# KiCad board v2-choc-basil.kicad_pcb (continued)
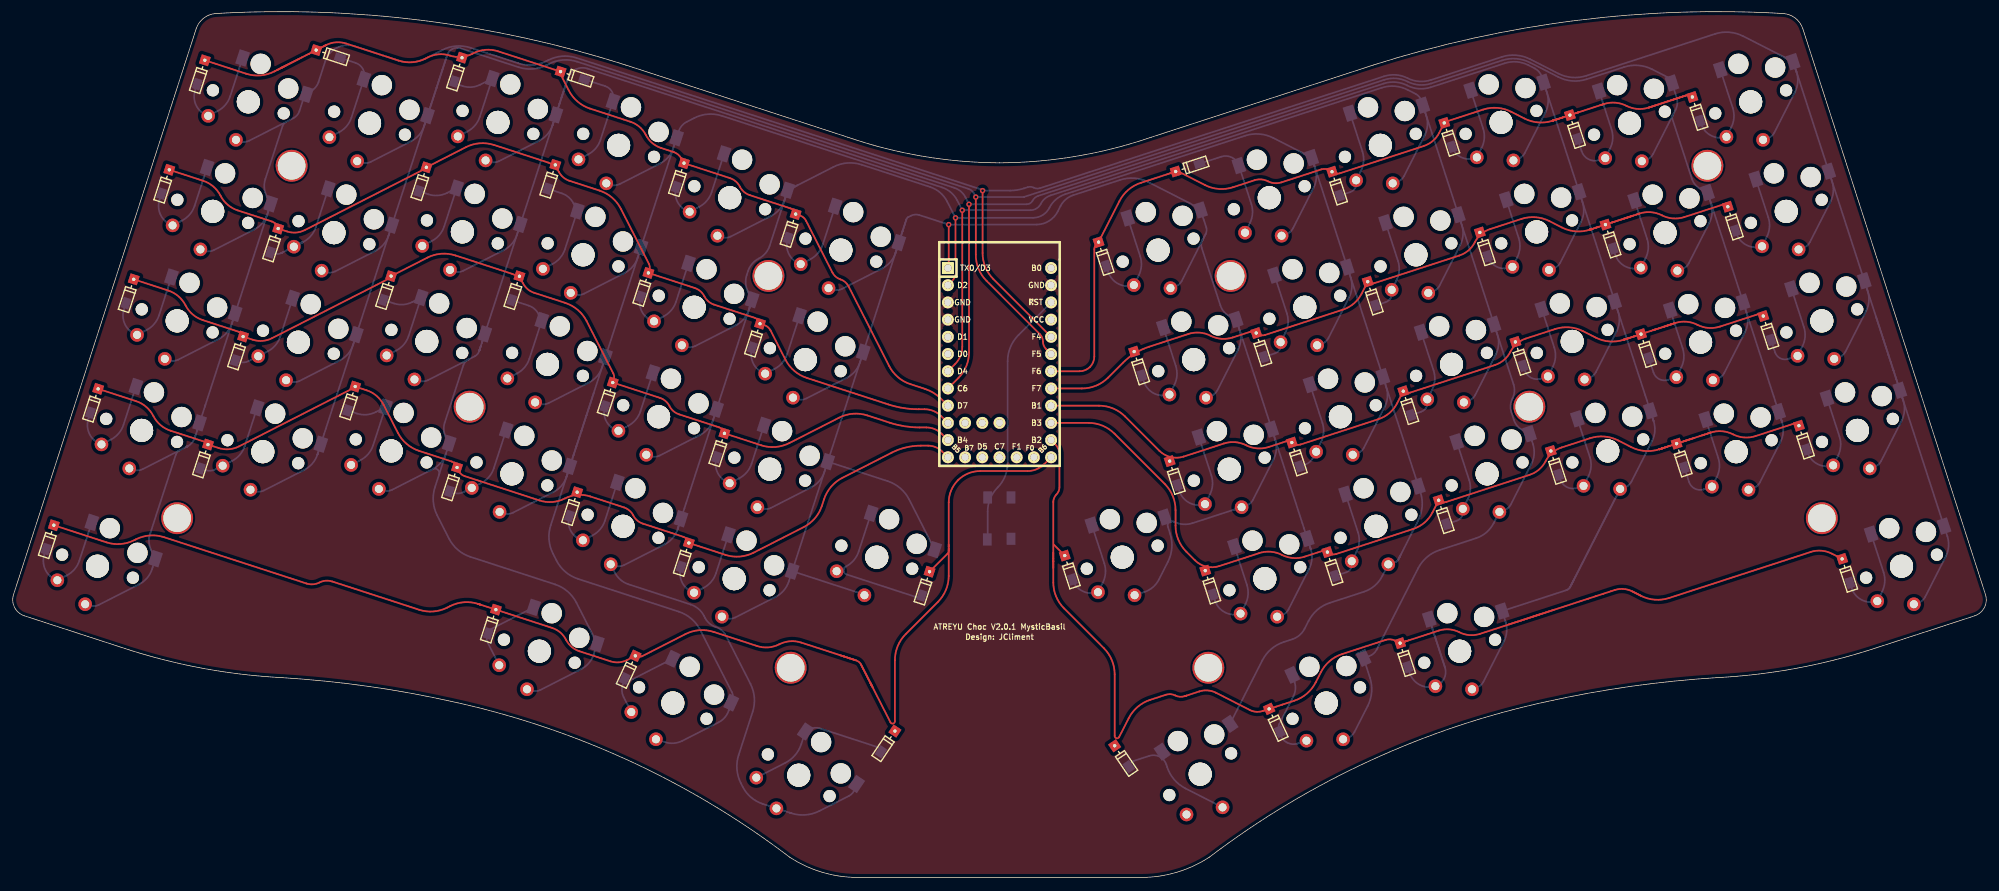
[diagram p0: board, top side]
## Routing (per net, layer and track width the routed paths; a pad name or vN(x,y) marks a point on that pad's centre or on a via; arc(x,y) is an arc through that point) (continued)
COL4: length 411.2
  Top w0.25: v1(139.24,97.38) 139.24,91.31 arc(139.25,91.26) 139.28,91.21 arc(139.31,91.17) 139.32,91.11 139.32,89.48 arc(139.17,88.7) 138.72,88.03 U1.2
  Bottom w0.25: 204.86,47.36 204.91,47.46 ; 204.86,47.36 204.91,47.46 ; 204.86,47.36 204.81,47.26 ; 204.86,47.36 204.81,47.26 ; 204.91,47.46 205.01,47.66 ; 204.91,47.46 205.01,47.66 ; MX17.1 99.5,78.35 arc(100.16,78.27) 100.8,78.45 106.78,81.5 arc(107.97,82.44) 108.71,83.76 108.8,84.02 ; MX8.1 188.08,94.95 arc(188.66,95.28) 189.07,95.8 192.12,101.79 arc(192.53,103.24) 192.35,104.75 ; 204.61,46.87 204.71,47.06 ; 204.61,46.87 204.71,47.06 ; 204.61,46.87 arc(204.48,46.7) 204.3,46.6 ; 204.61,46.87 arc(204.48,46.7) 204.3,46.6 ; 204.71,47.06 204.76,47.16 ; 204.71,47.06 204.76,47.16 ; 204.3,46.6 203.84,46.45 arc(203.26,46.12) 202.84,45.6 202.28,44.5 arc(201.15,43.07) 199.56,42.17 194.54,40.54 arc(192.69,39.51) 191.37,37.84 190.79,36.7 arc(190.05,35.76) 189,35.17 187.73,34.76 arc(185.88,33.72) 184.56,32.05 179.88,22.86 arc(179.87,22.7) 179.97,22.57 ; MX29.1 94.24,62.18 arc(94.91,62.1) 95.55,62.28 101.53,65.33 arc(102.72,66.27) 103.46,67.59 MX29.1 ; MX32.1 202.86,72.41 arc(203.04,70.91) 202.63,69.45 199.58,63.47 arc(199.17,62.94) 198.58,62.62 MX32.1 ; 204.76,47.16 204.81,47.26 ; 204.76,47.16 204.81,47.26 ; 113.97,99.93 114.1,100.34 ; 113.97,99.93 111.8,93.25 arc(111.18,92.16) 110.2,91.38 arc(109.21,90.6) 108.6,89.5 108.41,88.93 arc(108.26,87.68) 108.6,86.48 ; 113.97,99.93 arc(113.23,98.61) 112.04,97.67 106.05,94.62 arc(105.41,94.44) 104.75,94.52 MX5.1 ; 113.97,99.93 arc(114.03,100.13) 114.1,100.34 ; 113.97,99.93 arc(114.71,101.25) 115.9,102.19 ; 114.1,100.34 arc(114.74,101.36) 115.9,102.19 ; MX53.1 124.4,13.09 arc(124.05,12.47) 123.5,12.03 119.14,9.81 arc(117.1,9.24) 114.99,9.49 110.78,10.85 arc(109.05,11.82) 107.81,13.39 107.54,13.92 arc(106.97,15.96) 107.21,18.07 109.28,24.44 arc(109.53,26.55) 108.96,28.59 105.34,35.68 arc(104.7,36.5) 103.8,37 arc(102.89,37.51) 102.25,38.32 102.11,38.6 arc(101.28,39.65) 100.12,40.3 90.94,43.28 arc(89.78,43.93) 88.96,44.97 MX41.1 88.99,46.01 arc(89.65,45.94) 90.29,46.12 96.28,49.17 arc(97.47,50.1) 98.21,51.42 MX41.1 99.45,55.24 108.85,84.17 ; 205.01,47.66 207.59,52.71 arc(208.16,54.75) 207.91,56.86 192.22,105.16 ; 192.22,105.16 arc(191.58,106.18) 190.43,107.01 ; 192.22,105.16 arc(192.29,104.95) 192.35,104.75 ; 108.85,84.17 arc(108.96,85.31) 108.6,86.48 ; 108.85,84.17 arc(108.82,84.1) 108.8,84.02 ; MX20.1 197.61,88.58 arc(197.78,87.08) 197.37,85.62 194.32,79.63 arc(193.91,79.11) 193.33,78.79 MX20.1 ; 190.43,107.01 186.17,109.17 arc(184.13,109.75) 182.02,109.5 161.03,102.68 155.46,100.87 arc(154.09,100.1) 153.12,98.87 arc(152.11,97.79) 150.69,97.38 139.25,97.38 arc(139.25,97.38) 139.24,97.38 v1(139.24,97.38) 138.01,99.79 arc(136.97,101.11) 135.5,101.93 125.37,105.23 arc(123.26,105.47) 121.22,104.9 115.9,102.19 ; 190.43,107.01 arc(191.61,106.07) 192.35,104.75 ; 108.8,84.02 arc(108.95,85.27) 108.6,86.48
COL5: length 327.2
  Top w0.25: v1(138.24,96.38) 138.24,90.17 arc(138.23,90.1) 138.18,90.03 U1.1
  Bottom w0.25: 176.2,95.02 175.73,94.09 ; 176.2,95.02 175.73,94.09 ; 176.2,95.02 arc(176.33,95.49) 176.28,95.98 175.91,97.12 arc(175.12,98.53) 173.84,99.53 167.72,102.65 arc(165.67,103.23) 163.57,102.98 156.65,100.73 arc(155.54,100.11) 154.75,99.11 154.34,98.32 arc(153.04,96.91) 151.19,96.38 138.25,96.38 arc(138.25,96.38) 138.24,96.38 v1(138.24,96.38) 133.9,97.79 arc(133.27,97.86) 132.67,97.69 132.21,97.46 arc(132.09,97.37) 132.02,97.23 131.97,97.08 ; 175.73,94.09 175.7,94.03 arc(175.54,93.49) 175.61,92.93 178.37,84.44 arc(178.88,83.53) 179.71,82.88 ; 175.73,94.09 172.66,88.07 arc(172.25,87.54) 171.67,87.22 MX7.1 ; MX42.1 114.62,43.69 arc(113.88,42.37) 112.69,41.43 106.71,38.38 arc(106.07,38.2) 105.4,38.28 MX42.1 ; MX42.1 125.69,41.78 arc(125.74,41.75) 125.77,41.71 MX54.1 ; MX42.1 130.38,92.19 ; 131.8,96.55 131.97,97.08 ; 131.8,96.55 131.41,95.35 ; 131.8,96.55 131.97,97.08 ; 131.8,96.55 131.44,95.45 ; 130.38,92.19 130.51,92.6 ; 130.38,92.19 130.94,93.93 ; 130.38,92.19 arc(129.64,90.87) 128.45,89.93 122.47,86.88 arc(121.83,86.7) 121.16,86.78 MX6.1 ; 130.38,92.19 arc(130.45,92.4) 130.51,92.6 ; 130.51,92.6 131.01,94.13 ; MX19.1 176.92,71.05 arc(177.5,71.38) 177.91,71.9 180.96,77.88 arc(181.37,79.34) 181.19,80.84 181.04,81.31 ; 130.94,93.93 131.41,95.35 ; 130.94,93.93 arc(130.98,94.03) 131.01,94.13 ; MX18.1 115.91,70.61 arc(116.57,70.53) 117.21,70.72 123.2,73.76 arc(124.39,74.7) 125.13,76.02 MX18.1 ; 131.41,95.35 arc(131.42,95.4) 131.44,95.45 ; MX43.1 187.43,38.71 arc(188.01,39.04) 188.42,39.56 191.47,45.55 arc(191.88,47) 191.7,48.51 MX43.1 181.04,81.31 ; MX54.1 132.4,55.8 arc(131.09,57.47) 129.23,58.5 MX30.1 119.87,59.85 arc(119.13,58.53) 117.94,57.6 111.96,54.55 arc(111.32,54.37) 110.66,54.44 MX30.1 ; 131.01,94.13 131.44,95.45 ; MX55.1 167.14,42.14 arc(168.39,42.84) 169.27,43.96 170.62,46.6 arc(171.19,48.64) 170.94,50.75 170.61,51.78 arc(170.8,52.44) 171.48,52.53 arc(172.84,52.14) 174.25,52.31 181.39,54.63 MX31.1 182.17,54.88 arc(182.75,55.21) 183.17,55.73 186.21,61.72 arc(186.63,63.17) 186.45,64.68 MX31.1 ; 181.04,81.31 arc(180.53,82.23) 179.71,82.88 ; 181.04,81.31 arc(180.53,82.23) 179.71,82.88
ROW0: length 140.2
  Top w0.25: 39.64,119.5 39.13,119.24 ; 39.64,119.5 42.33,120.87 ; 39.64,119.5 40.4,119.89 ; 39.64,119.5 39.13,119.24 ; 39.64,119.5 D2.1 46.27,122.88 arc(47.73,123.29) 49.24,123.11 57.01,120.59 arc(59.03,120.35) 60.98,120.9 61.32,121.07 arc(62.93,121.53) 64.59,121.33 arc(66.25,121.13) 67.86,121.59 68.04,121.68 arc(69.83,122.18) 71.68,121.97 80.79,119 arc(80.87,118.94) 80.88,118.84 arc(80.86,118.72) 80.89,118.61 82.12,116.2 arc(83.44,114.53) 85.29,113.5 91.23,111.57 arc(92.56,110.82) 93.5,109.63 arc(94.45,108.43) 95.77,107.69 97.65,107.08 arc(98.28,106.72) 98.73,106.15 99.06,105.5 arc(99.08,105.47) 99.11,105.46 D5.1 99.45,105.35 105.92,103.25 arc(106.78,102.76) 107.4,101.98 arc(108.01,101.21) 108.87,100.72 114.89,98.77 arc(115.22,98.58) 115.45,98.29 arc(115.68,97.99) 116.01,97.81 116.25,97.73 arc(116.79,97.43) 117.17,96.95 121.06,89.31 arc(121.56,88.68) 122.25,88.29 arc(122.95,87.9) 123.45,87.27 129.43,75.52 arc(130.75,73.86) 132.6,72.82 134.72,72.13 arc(136,71.54) 137.1,70.67 U1.9 ; 39.64,119.5 39.89,119.63 ; 39.13,119.24 38.62,118.98 arc(36.58,118.41) 34.47,118.66 D1.1
ROW1: length 137.6
  Top w0.25: D13.1 28.13,102.84 arc(29.63,102) 30.69,100.66 arc(31.75,99.31) 33.25,98.47 38.27,96.84 arc(38.68,96.61) 38.98,96.24 arc(39.27,95.87) 39.68,95.64 40.54,95.36 arc(41.85,95.21) 43.12,95.56 60.99,104.67 arc(61.04,104.71) 61.07,104.77 arc(61.11,104.83) 61.16,104.87 66.93,107.81 arc(68.97,108.39) 71.08,108.14 79.07,105.54 arc(79.99,105.02) 80.65,104.19 arc(81.3,103.36) 82.23,102.85 86.66,101.41 arc(88.51,100.37) 89.83,98.7 93.96,90.59 arc(94.08,90.15) 94.03,89.7 arc(94.06,89.34) 94.34,89.1 100.71,87.03 arc(101.56,86.55) 102.15,85.79 arc(102.75,85.03) 103.6,84.56 109.61,82.61 arc(109.95,82.42) 110.19,82.12 arc(110.43,81.81) 110.76,81.62 111,81.55 arc(111.55,81.24) 111.93,80.75 114.13,76.44 arc(115.44,74.78) 117.29,73.74 129.32,69.83 arc(131.53,69.3) 133.81,69.12 134.69,69.12 arc(136,68.86) 137.12,68.12 U1.10
ROW2: length 139.4
  Top w0.25: U1.11 137.19,65.5 arc(136.16,66.19) 134.94,66.43 133.97,66.43 arc(131.71,66.61) 129.51,67.14 126.22,68.21 arc(124.11,68.46) 122.07,67.88 114.7,64.13 arc(112.65,63.55) 110.54,63.8 105.52,65.43 arc(105.17,65.63) 104.92,65.94 arc(104.68,66.25) 104.33,66.45 98.43,68.37 arc(97.6,68.83) 97.01,69.58 arc(96.41,70.33) 95.58,70.8 89.08,72.91 arc(88.8,73.15) 88.77,73.52 arc(88.83,73.97) 88.7,74.4 84.77,82.12 arc(83.46,83.78) 81.61,84.82 77.01,86.31 arc(76.05,86.85) 75.37,87.72 arc(74.69,88.58) 73.73,89.12 65.39,91.83 arc(63.28,92.08) 61.24,91.5 55.99,88.83 arc(55.9,88.76) 55.84,88.65 arc(55.79,88.55) 55.69,88.48 38.27,79.6 arc(36.89,79.21) 35.47,79.38 34.34,79.75 arc(34.06,79.9) 33.87,80.15 arc(33.68,80.39) 33.4,80.55 28.08,82.28 arc(26.59,83.11) 25.53,84.46 arc(24.46,85.81) 22.97,86.65 D25.1
ROW3: length 145.7
  Top w0.25: U1.12 137.26,62.89 arc(136.31,63.52) 135.19,63.75 134.13,63.75 arc(131.93,63.49) 129.84,62.72 122.53,58.99 arc(120.86,57.68) 119.83,55.83 119.52,54.88 arc(118.48,53.03) 116.81,51.71 109.42,47.95 arc(107.38,47.37) 105.27,47.62 100.27,49.25 arc(99.91,49.45) 99.66,49.77 arc(99.4,50.09) 99.05,50.29 93.07,52.23 arc(92.24,52.69) 91.66,53.43 arc(91.08,54.18) 90.25,54.64 85.3,56.25 arc(83.4,56.47) 81.55,55.95 arc(79.7,55.43) 77.8,55.65 66.76,59.24 arc(66.26,59.52) 65.9,59.98 65.43,60.9 arc(65.18,61.21) 64.84,61.41 60.04,62.97 arc(58.18,64) 56.87,65.67 54.78,69.78 arc(53.74,71.1) 52.27,71.92 50.63,72.45 arc(50.59,72.45) 50.56,72.42 arc(50.54,72.37) 50.5,72.34 33.42,63.64 arc(31.94,63.22) 30.4,63.4 29,63.86 arc(28.86,63.93) 28.77,64.06 arc(28.67,64.18) 28.53,64.25 23.33,65.95 arc(21.83,66.78) 20.77,68.13 arc(19.71,69.48) 18.21,70.32 D37.1
ROW4: length 201.7
  Top w0.25: 138.24,48.2 138.24,44.53 arc(137.83,42.45) 136.65,40.68 131.89,35.92 arc(130.71,34.16) 130.29,32.07 130.29,23.06 arc(130.03,22.72) 129.64,22.9 126.99,28.1 ; 138.24,48.2 138.24,48.9 ; 138.24,48.2 arc(138.2,47.99) 138.08,47.81 D54.1 ; 122.2,32.81 122.58,32.68 ; 122.2,32.81 122.58,32.68 ; 122.2,32.81 116.46,34.67 arc(114.81,34.87) 113.21,34.42 arc(111.61,33.97) 109.95,34.16 103.51,36.25 arc(101.4,36.5) 99.36,35.93 92.94,32.66 arc(92.62,32.57) 92.29,32.61 arc(91.96,32.65) 91.64,32.56 90.76,32.1 arc(89.54,31.76) 88.27,31.91 83.72,33.39 arc(82.55,34.05) 81.71,35.11 arc(80.88,36.16) 79.7,36.82 69.13,40.26 68.75,40.38 arc(66.64,40.63) 64.6,40.05 64.18,39.84 arc(62.14,39.27) 60.03,39.52 47.19,43.69 arc(46.22,43.8) 45.29,43.54 arc(44.36,43.28) 43.4,43.39 22.34,50.23 arc(20.23,50.48) 18.19,49.91 17.98,49.8 arc(15.94,49.23) 13.83,49.48 D49.1 ; 122.58,32.68 122.77,32.62 ; 122.58,32.68 122.77,32.62 ; 138.24,48.9 138.24,48.78 ; 138.24,48.9 138.24,49.13 ; 138.24,48.9 138.24,49.13 ; 122.77,32.62 124.39,32.1 ; 122.77,32.62 124.58,32.03 arc(125,31.8) 125.29,31.43 ; 126.73,28.61 126.79,28.49 ; 126.73,28.61 126.79,28.49 ; 126.73,28.61 126.66,28.74 ; 126.73,28.61 126.86,28.36 ; 126.79,28.49 126.86,28.36 ; 126.99,28.1 126.86,28.36 ; 126.99,28.1 126.86,28.36 ; 126.86,28.36 126.66,28.74 ; 126.66,28.74 125.29,31.43 ; 126.66,28.74 125.29,31.43 ; 138.24,49.13 138.24,55.35 arc(138.6,57.13) 139.6,58.64 arc(141.11,59.64) 142.89,60 149.89,60 arc(151.22,60.26) 152.35,61.01 U1.13
ROW5: length 180.3
  Top w0.25: U1.14 153.98,63.95 arc(154.44,63.27) 154.6,62.46 154.6,57.63 arc(154.48,57.03) 154.14,56.53 arc(153.8,56.02) 153.69,55.43 153.69,47.91 ; D60.1 268.68,47.8 arc(267.13,48.24) 265.54,48.05 244.63,41.25 arc(242.52,41.01) 240.48,41.58 ; 220.99,37.35 224.33,38.44 ; 220.99,37.35 225.45,38.8 ; 220.99,37.35 216.7,35.96 arc(215.15,35.78) 213.66,36.2 arc(212.16,36.62) 210.61,36.44 205.66,34.83 arc(204.92,34.75) 204.2,34.95 arc(203.49,35.15) 202.75,35.06 196.37,32.99 arc(194.52,31.95) 193.2,30.28 192.44,28.79 arc(191.13,27.13) 189.28,26.09 D57.1 184.6,24.57 arc(183.64,24.46) 182.72,24.72 177.72,27.26 arc(176.5,27.61) 175.25,27.46 173.08,26.76 arc(172.38,26.67) 171.7,26.87 arc(171.02,27.06) 170.32,26.97 168,26.22 arc(166.14,25.18) 164.83,23.51 163.41,20.72 arc(163.02,20.54) 162.75,20.88 162.75,29.99 arc(162.34,32.08) 161.16,33.84 155.28,39.72 arc(154.1,41.49) 153.69,43.57 153.69,46.71 ; 224.33,38.44 233.79,41.51 236.61,42.43 arc(237.93,42.59) 239.22,42.22 240.48,41.58 ; 224.33,38.44 arc(224.89,38.62) 225.45,38.8 ; 153.69,47.11 153.69,47.91 ; 153.69,47.11 153.69,47.91 ; 153.69,47.11 153.69,46.71 ; 153.69,47.11 153.69,46.71 ; D55.1 153.74,49.15 ; 225.45,38.8 227.67,39.53 ; 153.69,46.71 153.69,45.67 ; 240.48,41.58 239.23,42.21
ROW6: length 133.3
  Top w0.25: 246.88,64.41 247.71,64.68 ; 246.88,64.41 248.26,64.86 ; 246.88,64.41 246.33,64.23 ; 246.88,64.41 247.16,64.5 ; 246.88,64.41 249.51,65.26 ; 246.88,64.41 246.33,64.23 ; 246.33,64.23 244.78,63.73 ; 249.77,65.35 249.9,65.39 ; 249.77,65.35 250.78,65.68 arc(252.46,65.88) 254.08,65.42 arc(255.71,64.96) 257.39,65.16 263.65,67.19 ; 249.77,65.35 249.51,65.26 ; 249.77,65.35 249.51,65.26 ; 244.78,63.73 244.66,63.69 ; 244.78,63.73 244.66,63.69 ; 244.66,63.69 244.59,63.67 ; 244.66,63.69 243.19,63.21 arc(241.08,62.96) 239.03,63.54 237.11,64.52 arc(235.07,65.09) 232.96,64.84 228.77,63.48 arc(227.39,62.71) 226.41,61.46 arc(225.42,60.21) 224.04,59.44 211.73,55.44 arc(211.35,55.4) 210.97,55.5 arc(210.66,55.53) 210.42,55.32 209.69,53.88 arc(208.5,52.38) 206.84,51.45 195.46,47.75 arc(195.02,47.7) 194.59,47.82 D44.1 193.92,48.16 arc(193.66,48.23) 193.4,48.2 190.81,47.36 arc(189.1,47.16) 187.45,47.62 arc(185.8,48.09) 184.1,47.88 178.2,45.97 arc(176.27,45.89) 174.6,46.83 173.34,48.09 arc(172.16,49.86) 171.74,51.94 171.74,54.25 arc(171.33,56.33) 170.15,58.09 162.73,65.52 arc(160.96,66.7) 158.88,67.11 U1.15
ROW7: length 119.5
  Top w0.25: 244.95,81.66 245.04,81.69 ; 244.95,81.66 244.56,81.53 ; 244.95,81.66 243.07,81.05 ; 244.95,81.66 242.49,80.86 ; 244.95,81.66 245.04,81.69 ; 245.04,81.69 245.52,81.84 arc(247.2,82.04) 248.83,81.58 arc(250.46,81.12) 252.14,81.32 258.4,83.36 ; 244.56,81.53 244.65,81.56 ; 244.56,81.53 244.38,81.47 ; 244.56,81.53 244.38,81.47 ; 242.26,80.78 242.49,80.86 ; 242.26,80.78 242.49,80.86 ; 242.26,80.78 239.53,79.9 ; 242.49,80.86 242.84,80.97 ; 242.49,80.86 242.6,80.9 ; 239.4,79.86 239.34,79.84 ; 239.4,79.86 237.93,79.38 arc(235.82,79.13) 233.78,79.7 231.95,80.64 arc(229.91,81.21) 227.8,80.96 223.49,79.56 arc(222.15,78.81) 221.2,77.6 arc(220.25,76.4) 218.91,75.65 206.36,71.57 arc(206.02,71.53) 205.7,71.62 arc(205.42,71.64) 205.21,71.46 204.48,70.02 arc(203.33,68.56) 201.71,67.65 190.21,63.92 arc(189.76,63.87) 189.34,63.99 188.64,64.34 arc(188.36,64.42) 188.07,64.39 185.48,63.54 arc(183.8,63.34) 182.17,63.8 arc(180.55,64.26) 178.87,64.06 172.94,62.13 arc(171.02,62.06) 169.34,63 164.29,68.06 arc(162.52,69.24) 160.44,69.65 U1.16 ; 239.4,79.86 239.53,79.9 ; 239.4,79.86 239.53,79.9 ; 244.38,81.47 243.77,81.28
ROW8: length 114.7
  Top w0.25: 236.29,96.72 236.21,96.69 ; 236.29,96.72 236.46,96.77 ; 236.29,96.72 236.46,96.77 ; 236.29,96.72 236.21,96.69 ; 236.21,96.69 234.24,96.05 ; 238.78,97.53 239.19,97.66 ; 238.78,97.53 239.19,97.66 ; 238.78,97.53 238.39,97.4 ; 238.78,97.53 236.46,96.77 ; 238.78,97.53 237.8,97.21 ; 239.19,97.66 239.39,97.73 ; 233.89,95.94 232.95,95.63 arc(232.95,95.63) 232.95,95.63 232.95,95.63 arc(230.84,95.38) 228.79,95.96 226.97,96.89 arc(224.92,97.47) 222.81,97.22 218.24,95.73 arc(216.9,94.98) 215.95,93.77 arc(215,92.57) 213.65,91.82 201.1,87.74 arc(200.77,87.7) 200.44,87.79 arc(200.17,87.81) 199.96,87.63 199.23,86.19 arc(198.08,84.73) 196.45,83.82 184.95,80.09 arc(184.51,80.03) 184.08,80.15 183.38,80.51 arc(183.09,80.6) 182.79,80.56 180.19,79.72 arc(178.52,79.52) 176.91,79.98 arc(175.3,80.43) 173.63,80.23 167.82,78.35 arc(165.77,77.4) 163.99,76 161.78,73.78 arc(160.01,72.6) 157.93,72.19 U1.17 ; 233.89,95.94 233.72,95.88 ; 233.89,95.94 234.24,96.05 ; 233.89,95.94 234.24,96.05 ; 236.46,96.77 240.27,98.01 arc(241.95,98.21) 243.58,97.75 arc(245.21,97.29) 246.89,97.49 253.14,99.52
ROW9: length 131
  Top w0.25: 245.32,114.86 245.53,114.93 ; 245.32,114.86 244.9,114.72 ; 245.32,114.86 244.9,114.72 ; 245.32,114.86 245.53,114.93 ; 245.53,114.93 245.74,114.99 ; 245.53,114.93 245.74,114.99 ; 230.83,112.82 229.02,112.23 ; 230.83,112.82 231.21,112.94 ; 230.83,112.82 231.21,112.94 ; 228.9,112.19 229.02,112.23 ; 228.9,112.19 228.83,112.17 ; 228.9,112.19 229.02,112.23 ; 228.9,112.19 227.43,111.71 arc(225.32,111.46) 223.27,112.04 221.32,113.04 arc(219.28,113.61) 217.17,113.36 211.31,111.46 ; U1.18 157.57,74.73 arc(158.4,74.9) 159.11,75.36 arc(159.58,76.07) 159.74,76.9 159.74,92.73 arc(159.82,93.14) 160.06,93.49 arc(160.34,93.82) 160.57,94.2 163.45,99.84 arc(164.77,101.51) 166.62,102.55 D8.1 171.88,104.26 arc(172,104.27) 172.12,104.24 176.08,102.22 arc(178.12,101.65) 180.23,101.9 183.41,102.93 arc(184.41,103.05) 185.39,102.77 arc(186.37,102.5) 187.38,102.62 193.28,104.53 arc(193.82,104.6) 194.34,104.45 195.21,104 arc(195.59,103.9) 195.97,103.94 208.4,107.98 arc(209.74,108.73) 210.69,109.94 D10.1 ; 244.9,114.72 244.47,114.58 ; 231.21,112.94 235.02,114.18 arc(236.7,114.38) 238.32,113.92 arc(239.95,113.46) 241.63,113.66 ; 231.21,112.94 231.4,113.01 ; 247.01,115.41 247.92,115.7 ; 247.01,115.41 246.59,115.27 ; 247.01,115.41 247.09,115.43 arc(247.43,115.47) 247.75,115.38 D12.1 ; 247.01,115.41 246.59,115.27 ; 244.47,114.58 244.05,114.45 ; 244.47,114.58 244.05,114.45 ; 244.47,114.58 244.69,114.65 ; 244.05,114.45 241.63,113.66 ; 245.74,114.99 245.95,115.06 ; 245.74,114.99 245.95,115.06 ; 245.95,115.06 246.16,115.13 ; 245.95,115.06 246.16,115.13 ; 246.59,115.27 246.16,115.13 ; 246.59,115.27 246.16,115.13 ; 241.63,113.66 242.57,113.96 ; 241.63,113.66 243.84,114.38
RST: length 38.2
  Bottom w0.25: SW1.1 143.97,49.92 arc(143.99,49.95) 143.99,49.99 143.99,54.01 arc(144.38,55.94) 145.47,57.58 arc(146.56,59.21) 146.94,61.14 146.94,76.22 arc(147.36,78.3) 148.54,80.07 U1.22
Net-(D1-Pad2): length 16.1
  Bottom w0.25: MX1.2 32.12,115.33 arc(31.4,114.05) 30.25,113.14 MX1.2 arc(27.12,113.93) 26.94,116.21 D1.2
Net-(D2-Pad2): length 15.9
  Bottom w0.25: MX2.2 48.16,109.99 arc(49.31,110.9) 50.02,112.18 MX2.2 arc(51.74,119.3) 50.62,120.26 D2.2
Net-(D3-Pad2): length 16.5
  Bottom w0.25: 65.13,117.26 66.46,116.83 arc(67.77,116.68) 69.03,117.03 MX3.2 68.99,112.29 arc(68.27,111.02) 67.12,110.11 MX3.2
Net-(D4-Pad2): length 16.5
  Bottom w0.25: MX4.2 84.95,106.72 arc(86.1,107.63) 86.81,108.91 MX4.2 arc(88.54,115.93) 87.49,116.83 D4.2
Net-(D5-Pad2): length 15.1
  Bottom w0.25: MX5.2 103.23,101.17 arc(102.51,99.89) 101.36,98.98 MX5.2 99.84,98.32 arc(98.18,99.74) D5.2
Net-(D6-Pad2): length 15.3
  Bottom w0.25: D6.2 114.46,94.32 arc(114.64,92.03) MX6.2 117.77,91.25 arc(118.92,92.16) 119.64,93.43 MX6.2
Net-(D7-Pad2): length 16.1
  Bottom w0.25: D7.2 161.81,89.38 arc(163.3,87.63) MX7.2 166.29,88.84 arc(166.69,90.25) 166.52,91.7 MX7.2
Net-(D8-Pad2): length 17.1
  Bottom w0.25: D8.2 178.51,106.41 arc(180.07,106.29) MX8.2 182.93,99.44 arc(183.11,97.98) 182.71,96.57 MX8.2
Net-(D9-Pad2): length 14.2
  Bottom w0.25: MX9.2 199.35,107.18 arc(199.52,105.72) 199.12,104.31 MX9.2 arc(198.33,101.86) 197.52,101.17 D9.2
Net-(D10-Pad2): length 14.9
  Bottom w0.25: MX10.2 217.17,110.56 arc(217.34,109.11) 216.95,107.7 MX10.2 215.88,106.19 arc(213.88,106.35) D10.2
Net-(D11-Pad2): length 16.5
  Bottom w0.25: MX11.2 236.13,110.45 arc(236.31,108.99) 235.91,107.58 235.42,106.62 arc(235.14,106.27) 234.76,106.05 234.31,105.91 arc(232.74,106.03) 231.71,107.23 D11.2
Net-(D12-Pad2): length 15.6
  Bottom w0.25: MX12.2 254.04,113.6 arc(254.21,112.14) 253.81,110.73 MX12.2 arc(250.84,109.52) 249.37,111.25 D12.2
Net-(D13-Pad2): length 16.1
  Bottom w0.25: D13.2 21.69,100.05 arc(21.87,97.76) MX13.2 25,96.97 arc(26.15,97.88) 26.87,99.16 MX13.2
Net-(D14-Pad2): length 14.2
  Bottom w0.25: MX14.2 44.77,96.01 arc(44.05,94.73) 42.9,93.83 39.67,92.18 arc(39.15,92.03) 38.61,92.1 D14.2
Net-(D15-Pad2): length 15.6
  Bottom w0.25: D15.2 61.39,100.85 arc(62.81,100.68) 64.18,101.07 64.87,101.43 arc(65.23,101.38) 65.33,101.04 63.73,96.13 arc(63.02,94.85) 61.87,93.94 MX15.2
Net-(D16-Pad2): length 16.3
  Bottom w0.25: D16.2 81.08,101 arc(82.1,100.42) 82.83,99.5 MX16.2 81.56,92.74 arc(80.84,91.46) 79.69,90.55 MX16.2
Net-(D17-Pad2): length 15.1
  Bottom w0.25: MX17.2 97.97,85 arc(97.26,83.72) 96.1,82.82 MX17.2 94.55,82.16 arc(92.91,83.57) D17.2
Net-(D18-Pad2): length 15.2
  Bottom w0.25: D18.2 109.21,78.15 arc(109.39,75.86) MX18.2 112.52,75.08 arc(113.67,75.99) 114.38,77.27 MX18.2
Net-(D19-Pad2): length 16.1
  Bottom w0.25: D19.2 167.06,73.21 arc(168.55,71.46) MX19.2 171.55,72.67 arc(171.95,74.08) 171.77,75.54 MX19.2
Net-(D20-Pad2): length 14.2
  Bottom w0.25: MX20.2 188.19,83.27 arc(188.36,81.82) 187.96,80.41 MX20.2 arc(187.18,78.02) 186.42,77.37 D20.2
Net-(D21-Pad2): length 14.3
  Bottom w0.25: MX21.2 204.6,91.01 arc(204.77,89.55) 204.37,88.14 MX21.2 arc(203.58,85.64) 202.72,84.91 D21.2
Net-(D22-Pad2): length 14.9
  Bottom w0.25: MX22.2 222.42,94.4 arc(222.6,92.94) 222.2,91.53 MX22.2 221.13,90.03 arc(219.13,90.18) D22.2
Net-(D23-Pad2): length 16.1
  Bottom w0.25: D23.2 236.68,91.96 arc(238.17,90.21) MX23.2 241.16,91.42 arc(241.56,92.83) 241.39,94.28 MX23.2
Net-(D24-Pad2): length 15.6
  Bottom w0.25: D24.2 254.58,95.1 arc(256.07,93.36) MX24.2 259.07,94.56 arc(259.46,95.97) 259.29,97.43 MX24.2
Net-(D25-Pad2): length 16.1
  Bottom w0.25: D25.2 16.43,83.88 arc(16.61,81.59) MX25.2 19.75,80.81 arc(20.9,81.71) 21.61,82.99 MX25.2
Net-(D26-Pad2): length 14.1
  Bottom w0.25: D26.2 33.54,76.12 arc(34.19,76.04) 34.82,76.22 MX26.2 37.65,77.66 arc(38.8,78.57) 39.52,79.84 MX26.2
Net-(D27-Pad2): length 16.3
  Bottom w0.25: MX27.2 56.61,77.77 arc(57.76,78.68) 58.48,79.96 MX27.2 59.02,84.95 arc(57.69,84.58) 56.33,84.74 D27.2
Net-(D28-Pad2): length 16.1
  Bottom w0.25: MX28.2 74.44,74.38 arc(75.59,75.29) 76.31,76.57 MX28.2 77.66,83.16 arc(77.05,83.94) 76.18,84.43 D28.2
Net-(D29-Pad2): length 15.1
  Bottom w0.25: MX29.2 92.72,68.83 arc(92,67.56) 90.85,66.65 MX29.2 89.28,66 arc(87.65,67.4) D29.2
Net-(D30-Pad2): length 15.2
  Bottom w0.25: D30.2 103.95,61.99 arc(104.13,59.7) MX30.2 107.26,58.91 arc(108.42,59.82) 109.13,61.1 MX30.2
Net-(D31-Pad2): length 16.1
  Bottom w0.25: MX31.2 177.03,59.37 arc(177.2,57.91) 176.8,56.5 MX31.2 arc(173.81,55.3) 172.31,57.04 D31.2
Net-(D32-Pad2): length 13.9
  Bottom w0.25: MX32.2 193.44,67.1 arc(193.61,65.65) 193.21,64.24 MX32.2 192.05,61.96 arc(191.56,61.33) 190.86,60.94 D32.2
Net-(D33-Pad2): length 14.3
  Bottom w0.25: MX33.2 209.85,74.84 arc(210.02,73.38) 209.63,71.97 MX33.2 arc(208.83,69.47) 207.98,68.74 D33.2
Net-(D34-Pad2): length 15.2
  Bottom w0.25: D34.2 223.29,74.9 arc(224.26,73.77) 225.74,73.65 226.24,73.81 arc(226.68,74.06) 226.99,74.45 227.45,75.36 arc(227.85,76.77) 227.68,78.23 MX34.2
Net-(D35-Pad2): length 16.6
  Bottom w0.25: MX35.2 246.64,78.11 arc(246.81,76.66) 246.42,75.25 246,74.44 arc(245.63,73.96) 245.1,73.66 244.48,73.46 arc(243.18,73.57) 242.33,74.56 D35.2
Net-(D36-Pad2): length 16.2
  Bottom w0.25: MX36.2 264.55,81.26 arc(264.72,79.8) 264.32,78.39 263.95,77.67 arc(263.52,77.12) 262.91,76.78 262.21,76.55 arc(261.05,76.64) 260.29,77.53 D36.2
Net-(D37-Pad2): length 16.1
  Bottom w0.25: D37.2 11.18,67.71 arc(11.36,65.42) MX37.2 14.49,64.64 arc(15.64,65.54) 16.36,66.82 MX37.2
Net-(D38-Pad2): length 14
  Bottom w0.25: D38.2 28.47,60.14 arc(29.23,60.05) 29.97,60.25 MX38.2 32.4,61.49 arc(33.55,62.4) 34.26,63.68 MX38.2
Net-(D39-Pad2): length 16.4
  Bottom w0.25: MX39.2 51.36,61.61 arc(52.51,62.51) 53.23,63.79 MX39.2 53.61,68.7 arc(52.26,68.32) 50.86,68.49 D39.2
Net-(D40-Pad2): length 14
  Bottom w0.25: MX40.2 71.05,60.4 arc(70.34,59.12) 69.19,58.22 MX40.2 66.56,56.88 arc(65.89,56.69) 65.19,56.77 D40.2
Net-(D41-Pad2): length 15
  Bottom w0.25: MX41.2 87.47,52.67 arc(86.75,51.39) 85.6,50.48 MX41.2 84.01,49.84 arc(82.39,51.23) D41.2
Net-(D42-Pad2): length 15.2
  Bottom w0.25: D42.2 98.7,45.82 arc(98.88,43.53) MX42.2 102.01,42.74 arc(103.16,43.65) 103.88,44.93 MX42.2
Net-(D43-Pad2): length 16.1
  Bottom w0.25: D43.2 177.57,40.87 arc(179.06,39.13) MX43.2 182.05,40.33 arc(182.45,41.74) 182.28,43.2 MX43.2
Net-(D44-Pad2): length 14.2
  Bottom w0.25: MX44.2 198.69,50.94 arc(198.87,49.48) 198.47,48.07 MX44.2 arc(197.68,45.69) 196.92,45.04 D44.2
Net-(D45-Pad2): length 14.2
  Bottom w0.25: D45.2 213.28,52.66 arc(214.09,53.36) MX45.2 214.88,55.81 arc(215.28,57.22) 215.11,58.67 MX45.2
Net-(D46-Pad2): length 15.2
  Bottom w0.25: MX46.2 232.93,62.06 arc(233.1,60.61) 232.71,59.19 232.22,58.24 arc(231.94,57.88) 231.54,57.66 231.08,57.51 arc(229.53,57.63) 228.52,58.81 D46.2
Net-(D47-Pad2): length 16.6
  Bottom w0.25: D47.2 247.58,58.39 arc(248.43,57.4) 249.74,57.3 250.35,57.49 arc(250.88,57.79) 251.26,58.27 251.67,59.08 arc(252.07,60.49) 251.89,61.95 MX47.2
Net-(D48-Pad2): length 15.6
  Bottom w0.25: MX48.2 269.8,65.09 arc(269.97,63.64) 269.57,62.23 MX48.2 arc(266.58,61.02) 265.09,62.77 D48.2
Net-(D49-Pad2): length 16
  Bottom w0.25: MX49.2 9.84,46.77 arc(9.13,45.49) 7.98,44.59 MX49.2 arc(4.85,45.37) 4.67,47.66 D49.2
Net-(D51-Pad2): length 13
  Bottom w0.25: MX51.2 70.14,34.69 arc(70.02,35.12) 70.07,35.56 70.3,36.28 arc(70.43,36.5) 70.63,36.66 MX51.2
Net-(D52-Pad2): length 12.9
  Bottom w0.25: MX52.2 90.23,26.62 arc(89.98,27.51) 90.09,28.43 90.26,28.96 arc(90.47,29.21) 90.8,29.23 arc(91.2,29.18) 91.58,29.29 MX52.2
Net-(D53-Pad2): length 22.5
  Bottom w0.25: MX53.2 114.11,16.92 arc(115.56,18.06) 116.46,19.68 116.83,20.81 arc(117.19,21.45) 117.76,21.9 arc(118.47,22.1) 119.2,22.01 127.55,19.3 arc(127.85,19.13) 128.06,18.87 D53.2
Net-(D54-Pad2): length 22.1
  Bottom w0.25: D54.2 133.97,41.47 arc(133.67,41.38) 133.35,41.42 123.17,44.73 arc(122.72,45.29) 123.07,45.92 arc(124.22,46.82) 124.94,48.1 MX54.2
Net-(D55-Pad2): length 15.1
  Bottom w0.25: MX55.2 161.22,46.37 arc(161.39,44.92) 160.99,43.51 MX55.2 160.24,42.1 arc(157.99,42.28) D55.2
Net-(D56-Pad2): length 17.5
  Bottom w0.25: 178.68,10.35 173.2,13.15 arc(171.54,14.46) 170.5,16.31 170.38,16.67 arc(169.39,17.83) 167.86,17.95 165.56,17.2 arc(165.24,17.02) 165,16.73 D56.2
Net-(D57-Pad2): length 14
  Bottom w0.25: MX57.2 189.32,28.84 arc(189.44,27.79) 189.16,26.76 187.06,22.66 arc(186.96,22.29) 187.01,21.91 187.34,20.9 arc(187.65,20.34) 188.14,19.95 188.27,19.89 arc(189.02,19.68) 189.78,19.77 MX57.2
Net-(D58-Pad2): length 24.1
  Bottom w0.25: 211.54,31.01 MX58.2 211.54,31.01 ; 211.54,31.01 arc(211.4,29.33) MX58.2 arc(207.83,28.42) 206.34,30.17 D58.2
Net-(D60-Pad2): length 16
  Bottom w0.25: D60.2 271.6,42.72 arc(273.09,40.97) MX60.2 276.09,42.18 arc(276.49,43.59) 276.32,45.04 MX60.2
